# Altium PCB PCB_REV3.PcbDoc (part 1 of 2) (continued)
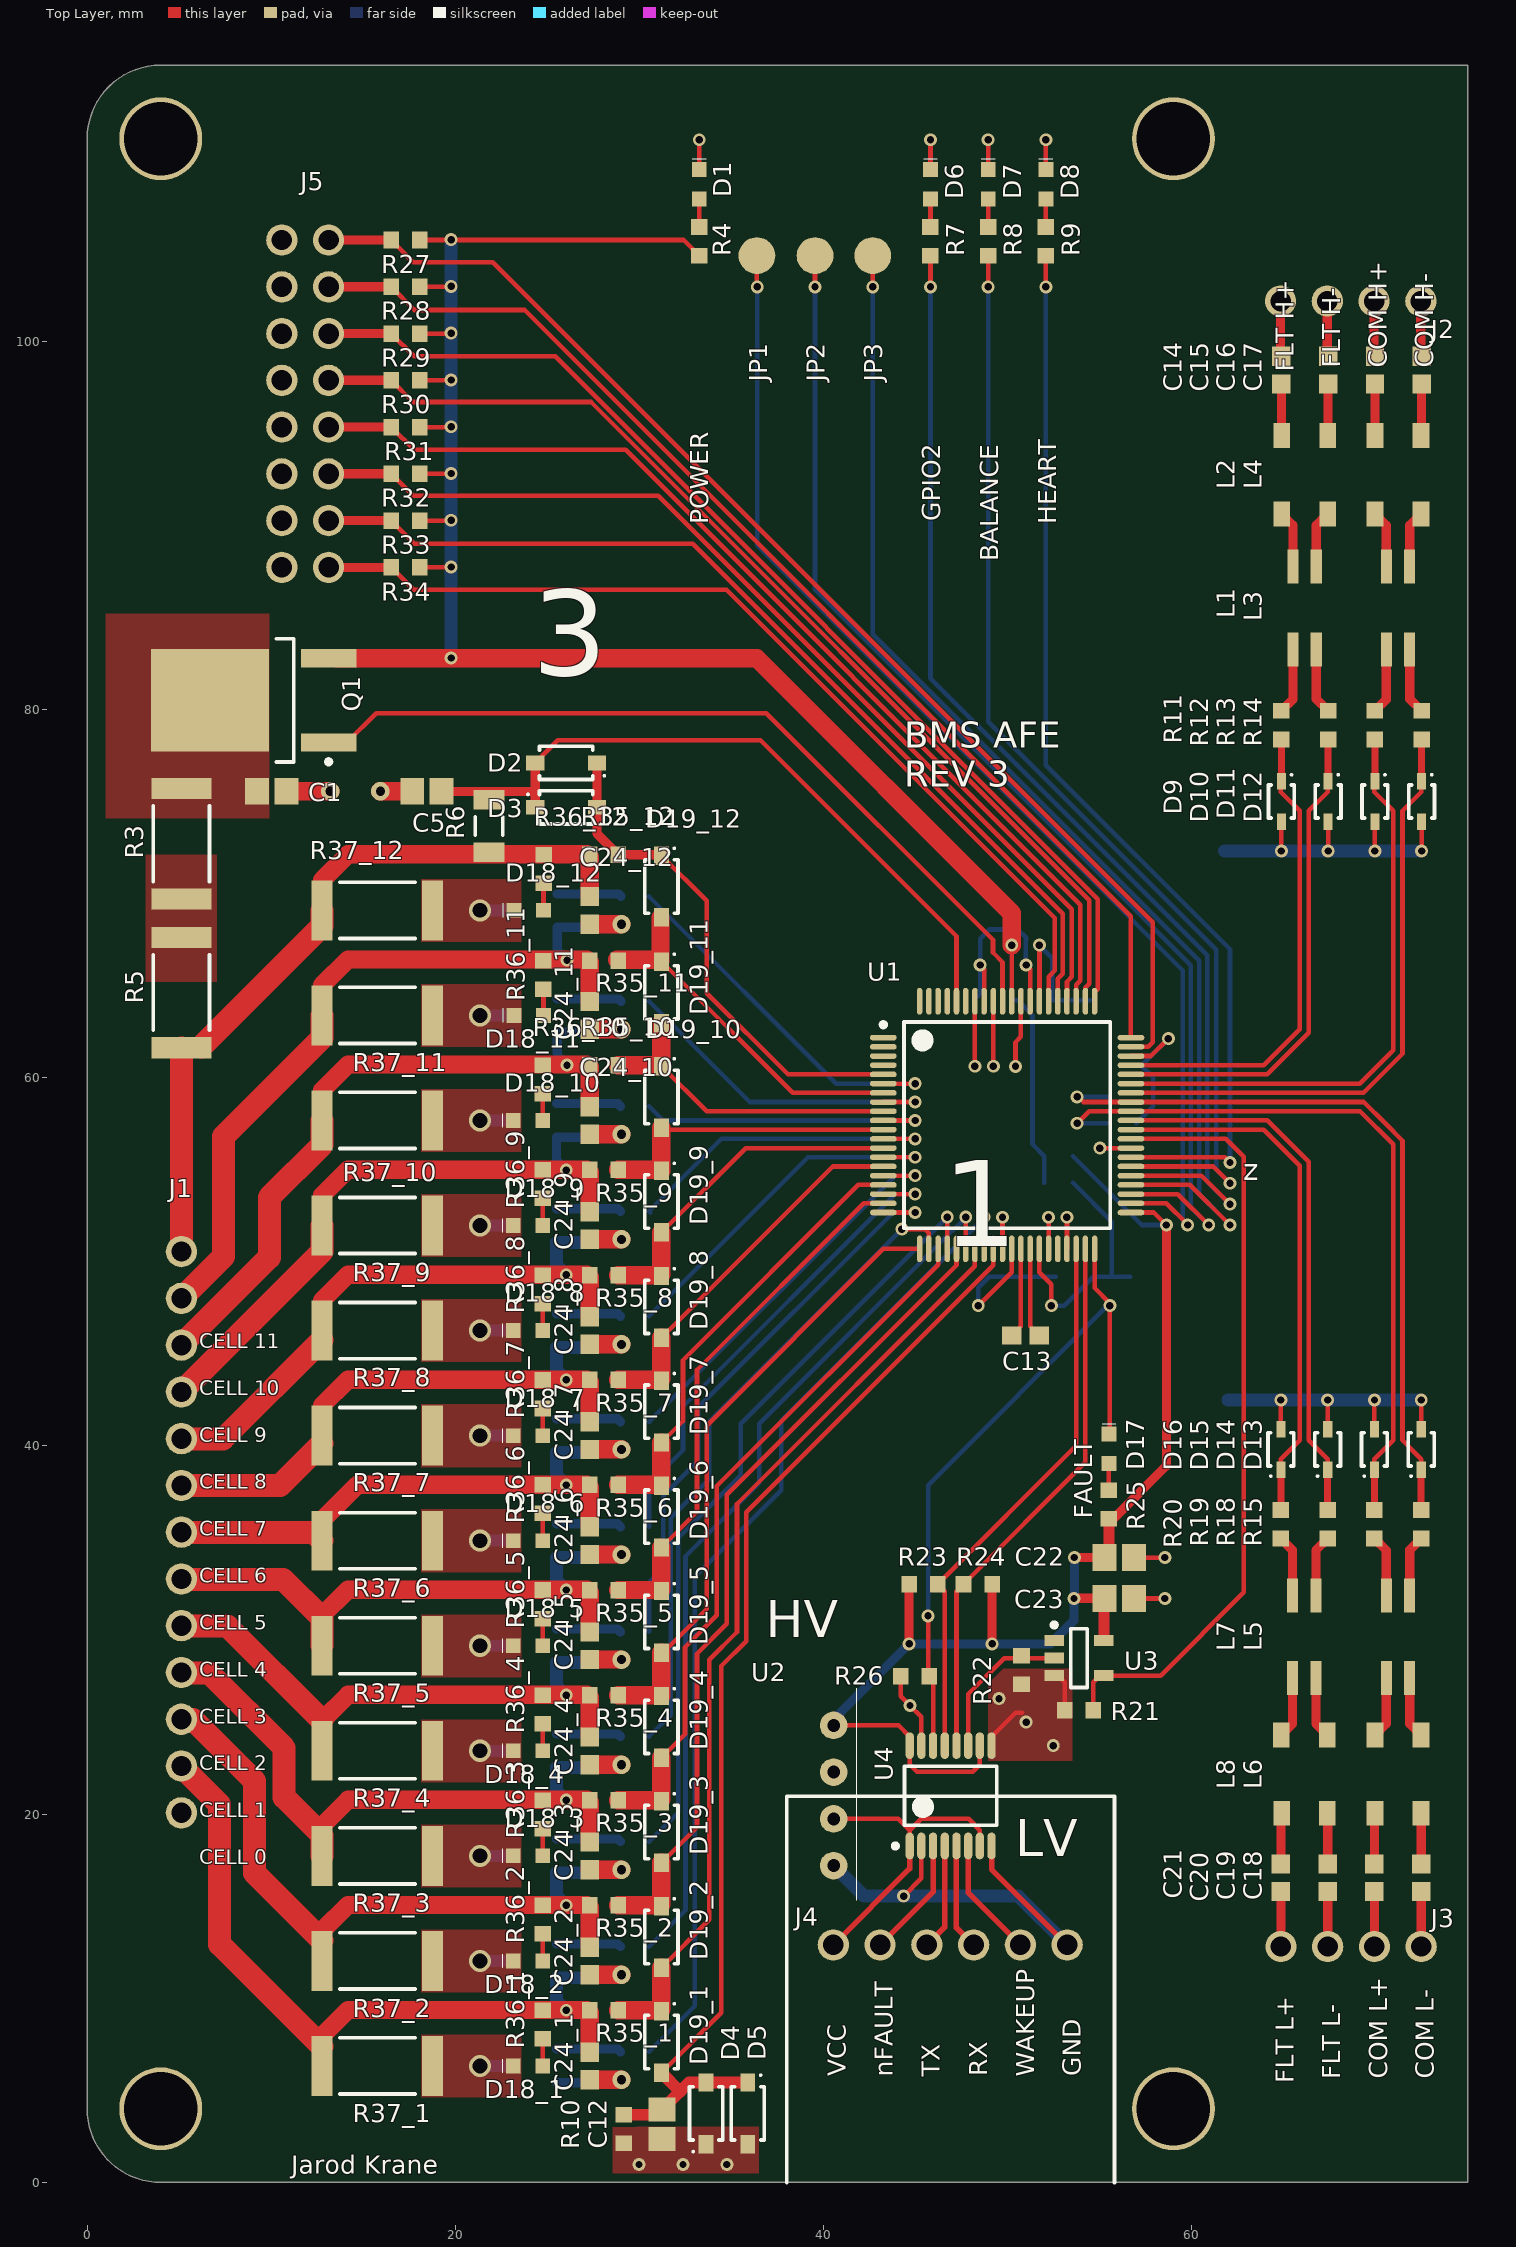
[diagram p0: Top Layer view]
## Part data (continued)
D19_1 D19_2 D19_3 D19_4 D19_5 D19_6 D19_7 D19_8 D19_9 D19_10 D19_11 D19_12: library part Zener-5.1V-0.5W, "DIODE ZENER 5.1V 500MW SOD123", Manufacturer=MCC, Manufacturer Part Number=MMSZ4689-TP, Max Operating Temperature=150°C, Max Power Dissipation=500mW, Max Reverse Leakage Current=10uA, Min Operating Temperature=-55°C, Package Quantity=3000, Supplier Part Number 1=MMSZ4689-TPMSDKR-ND, Test Current=50uA, Tolerance=5%, ComponentLink1Description=http://www.mccsemi.com/up_pdf/MMSZ4678-MMSZ4716(SOD-123)-D.pdf?src-supplier=Digi-Key, ComponentLink1URL=http://www.mccsemi.com/up_pdf/MMSZ4678-MMSZ4716(SOD-123)-D.pdf?src-supplier=Digi-Key, Element Configuration=Single, Lead Free="Lead Free", Mount="Surface Mount", Number of Pins=2, Packaging="Tape and Reel", Power Dissipation=500mW, Pricing 1="1=0.2, 10=0.161, 25=0.1352, 100=0.066, 250=0.06496, 500=0.05506, 1000=0.03825 (USD)", Stock 1=77807, Supplier 1=Digi-Key, Voltage Tolerance=5%, Zener Current=50uA, Zener Voltage=5.1V
J1: library part 13PIN, "CONN HEADER R/A 13POS 2.54MM", Color=Black, Contact Resistance=30mR, Manufacturer=Molex, Manufacturer Part Number=0705530012, Max Operating Temperature=105°C, Min Operating Temperature=-40°C, Package Quantity=1, Connector Type="Male Pin", Contact Material=Bronze, Contact Mating Length=0.24inch, Contact Plating=Gold, Depth=13.59mm, Gender=Male, Housing Color=Black, Housing Material=Polyester, Length=35.57mm, Mount="Through Hole", Number of Positions=13, Number of Rows=1, Orientation="Right Angle", Packaging=Rail/Tube, Pitch=0.1inch, Pricing 1="1=6.09, 10=5.355, 100=4.2597, 1000=3.52944 (USD)", Stock 1=22, Supplier 1=Digi-Key, Supplier Part Number 1=WM4911-ND, Termination=Solder
J2 J3: library part 4PIN, "CONN HEADER R/A 4POS 2.54MM", Color=Black, Contact Resistance=30mR, Current Rating=3A, Flammability Rating="UL94 V-0", Insulation Resistance=1GR, Manufacturer=Molex, Manufacturer Part Number=70553-0003, Max Operating Temperature=105°C, Min Operating Temperature=-40°C, Package Quantity=1680, Voltage Rating=250V, Approvals=UL,CSA, ComponentLink1Description=http://www.molex.com/webdocs/datasheets/pdf/en-us/0705530003_PCB_HEADERS.pdf?src-supplier=Mouser, ComponentLink1URL=http://www.molex.com/webdocs/datasheets/pdf/en-us/0705530003_PCB_HEADERS.pdf?src-supplier=Mouser, ComponentLink2Description=http://www.jameco.com/Jameco/Products/ProdDS/884758.pdf?src-supplier=Jameco, ComponentLink2URL=http://www.jameco.com/Jameco/Products/ProdDS/884758.pdf?src-supplier=Jameco, ComponentLink3Description=http://uk.rs-online.com/webdocs/13c4/0900766b813c4977.pdf?src-supplier=RSComponents, ComponentLink3URL=http://uk.rs-online.com/webdocs/13c4/0900766b813c4977.pdf?src-supplier=RSComponents, Contact Material="Bronze,Copper Alloy", Contact Plating=Gold, ELV=Compliant, Gender=Male, Glow Wire Compliant=Non-compliant, Housing Color=Black, Housing Material=Polycyclohexylenedimethylene, Lead Free="Lead Free", Material=Brass, Mount="Through Hole", Number of Circuits=4, Number of Contacts=4, Number of Positions=4, Number of Rows=1, Orientation="Right Angle", Packaging=Rail/Tube, Pitch=2.54mm, Pricing 1="1=1.05, 10=0.927, 100=0.7995, 500=0.65412, 1000=0.58144, 5000=0.50876, 10000=0.48332 (USD)", REACH SVHC=Unknown, Stock 1=4238, Supplier 1=Digi-Key, Supplier Part Number 1=WM4902-ND, Termination="Through Hole", Voltage Rating (DC)=250V
J4: library part 6PIN, "CONN HEADER R/A 6POS 2.54MM", Color=Black, Contact Resistance=30mR, Current Rating=3A, Flammability Rating="UL94 V-0", Insulation Resistance=1GR, Manufacturer=Molex, Manufacturer Part Number=70553-0040, Max Operating Temperature=105°C, Max Voltage Rating (AC)=250V, Min Operating Temperature=-40°C, Package Quantity=1200, ComponentLink1Description=http://uk.rs-online.com/webdocs/13c4/0900766b813c4993.pdf?src-supplier=RSComponents, ComponentLink1URL=http://uk.rs-online.com/webdocs/13c4/0900766b813c4993.pdf?src-supplier=RSComponents, ComponentLink2Description=http://www.molex.com/webdocs/datasheets/pdf/en-us/0705530040_PCB_HEADERS.pdf?src-supplier=Avnet+Europe, ComponentLink2URL=http://www.molex.com/webdocs/datasheets/pdf/en-us/0705530040_PCB_HEADERS.pdf?src-supplier=Avnet+Europe, ComponentLink3Description=http://www.farnell.com/datasheets/1844551.pdf?src-supplier=Farnell, ComponentLink3URL=http://www.farnell.com/datasheets/1844551.pdf?src-supplier=Farnell, ComponentLink4Description=http://www.mouser.com/ds/2/276/0705530040_PCB_HEADERS-172948.pdf?src-supplier=Mouser, ComponentLink4URL=http://www.mouser.com/ds/2/276/0705530040_PCB_HEADERS-172948.pdf?src-supplier=Mouser, ComponentLink5Description=http://www.farnell.com/cad/655744.pdf?src-supplier=Element14, ComponentLink5URL=http://www.farnell.com/cad/655744.pdf?src-supplier=Element14, ComponentLink6Description=http://www.jameco.com/Jameco/Products/ProdDS/1302975.pdf?src-supplier=Jameco, ComponentLink6URL=http://www.jameco.com/Jameco/Products/ProdDS/1302975.pdf?src-supplier=Jameco, Contact Material="Bronze,Copper Alloy,Brass", Contact Plating=Tin, Depth=13.59mm, ELV=Compliant, Gender=Male, Glow Wire Compliant=Non-compliant, Height=6.99mm, Housing Color=Black, Housing Material=Thermoplastic, Lead Free="Lead Free", Length=17.79mm, Material=Brass, Max Current Rating=3A, Mount="Through Hole", Number of Circuits=6, Number of Contacts=6, Number of Positions=6, Number of Rows=1, Orientation="Right Angle", Packaging=Rail/Tube, Pitch=2.54mm, Pricing 1="1=1.58, 10=1.434, 100=1.2289, 500=1.0241, 1000=0.8778, 5000=0.77832, 10000=0.76076 (USD)", Radiation Hardening=No, REACH SVHC=Unknown, Stock 1=2212, Supplier 1=Digi-Key, Supplier Part Number 1=WM4928-ND, Termination=Solder, Voltage Rating=250V, Voltage Rating (DC)=250V
J5: library part 2X8PIN, "CONN HEADER R/A 16POS 2.54MM", Color=Black, Current Rating=3A, Manufacturer=Molex, Manufacturer Part Number=90130-3116, Max Operating Temperature=125°C, Max Voltage Rating (DC)=350.35kV, Min Operating Temperature=-55°C, Package Quantity=1, Voltage Rating=350V, ComponentLink1Description=https://www.molex.com/pdm_docs/sd/901303116_sd.pdf?src-supplier=Digi-Key, ComponentLink1URL=https://www.molex.com/pdm_docs/sd/901303116_sd.pdf?src-supplier=Digi-Key, ComponentLink2Description=http://uk.rs-online.com/webdocs/13c4/0900766b813c4c91.pdf?src-supplier=RSComponents, ComponentLink2URL=http://uk.rs-online.com/webdocs/13c4/0900766b813c4c91.pdf?src-supplier=RSComponents, ComponentLink3Description=http://www.molex.com/webdocs/datasheets/pdf/en-us/0901303116_PCB_HEADERS.pdf?src-supplier=Avnet+Europe, ComponentLink3URL=http://www.molex.com/webdocs/datasheets/pdf/en-us/0901303116_PCB_HEADERS.pdf?src-supplier=Avnet+Europe, ComponentLink4Description=http://www.mouser.com/ds/2/276/0901303116_PCB_HEADERS-151568.pdf?src-supplier=Mouser, ComponentLink4URL=http://www.mouser.com/ds/2/276/0901303116_PCB_HEADERS-151568.pdf?src-supplier=Mouser, ComponentLink5Description=http://www.molex.com/webdocs/datasheets/pdf/en-us/0901303116_PCB_HEADERS.pdf?src-supplier=Avnet, ComponentLink5URL=http://www.molex.com/webdocs/datasheets/pdf/en-us/0901303116_PCB_HEADERS.pdf?src-supplier=Avnet, ComponentLink6Description=http://www.onlinecomponents.com/productFiles/mf-MOL/88590901303116_pcb_headers.pdf?src-supplier=Onlinecomponents.com, ComponentLink6URL=http://www.onlinecomponents.com/productFiles/mf-MOL/88590901303116_pcb_headers.pdf?src-supplier=Onlinecomponents.com, Connector Type="Male Pin", Contact Material=Brass, Contact Mating Length=0.266inch, Contact Plating=Tin,Lead, Gender=Male, Glow Wire Compliant=Non-compliant, Housing Color=Black, Housing Material=Polyester, Lead Free="Lead Free", Mount="Through Hole", Number of Circuits=16, Number of Contacts=16, Number of Positions=16, Number of Rows=2, Orientation="Right Angle", Packaging=Tray, Pitch=2.54mm, Pricing 1="1=1.82, 10=1.654, 100=1.4181, 500=1.18178, 1000=1.01295, 5000=0.89815, 10000=0.87789 (USD)", Radiation Hardening=No, Row Spacing=0.1inch, Stock 1=1915, Supplier 1=Digi-Key, Supplier Part Number 1=900-0901303116-ND, Termination=Solder, Voltage Rating (AC)=350V, Voltage Rating (DC)=350V
JP1 JP2 JP3: "Single layer pad TP"
L1 L3 L5 L7: library part CMC-470uH, "470µH @ 100kHz 2 Line Common Mode Choke SMD 2.2 kOhms", Case/Package=SMD/SMT, Current=400mA, DC Resistance (DCR)=350mR, Manufacturer="Wurth Electronics", Manufacturer Part Number=744242471, Max Operating Temperature=125°C, Min Operating Temperature=-40°C, Package Quantity=1, Supplier Part Number 1=732-1686-6-ND, Test Frequency=100kHz, Tolerance=50%, Voltage Rating=80V, ComponentLink1Description=https://katalog.we-online.de/pbs/datasheet/744242471.pdf?src-supplier=Digi-Key, ComponentLink1URL=https://katalog.we-online.de/pbs/datasheet/744242471.pdf?src-supplier=Digi-Key, ComponentLink2Description=http://www.farnell.com/datasheets/1735656.pdf?src-supplier=Newark, ComponentLink2URL=http://www.farnell.com/datasheets/1735656.pdf?src-supplier=Newark, ComponentLink3Description=https://www.distrelec.biz/Web/Downloads/_t/ds/744242471_eng_tds.pdf?mime=application%2Fpdf&src-supplier=Distrelec, ComponentLink3URL=https://www.distrelec.biz/Web/Downloads/_t/ds/744242471_eng_tds.pdf?mime=application%2Fpdf&src-supplier=Distrelec, ComponentLink4Description=http://www.mouser.com/ds/2/445/744242471-77692.pdf?src-supplier=Mouser, ComponentLink4URL=http://www.mouser.com/ds/2/445/744242471-77692.pdf?src-supplier=Mouser, ComponentLink5Description=http://www.farnell.com/datasheets/1735656.pdf?src-supplier=Element14, ComponentLink5URL=http://www.farnell.com/datasheets/1735656.pdf?src-supplier=Element14, Current Rating=400mA, Height=0.138inch, Impedance=2.2kR, Inductance=470uH, Length=0.236inch, Max DC Current=400mA, Mount="Surface Mount", Number of Lines=2, Packaging="Tape and Reel", Pricing 1="1=3.37, 10=3.125, 50=2.822, 100=2.722, 250=2.52 (USD)", REACH SVHC="No SVHC", Resistance=350mR, Stock 1=424, Supplier 1=Digi-Key, Termination=SMD/SMT, Weight=0.003351oz, Width=3.3mm
L2 L4 L6 L8: library part CMC-100uH, "100µH @ 100kHz 2 Line Common Mode Choke SMD 5.8 kOhms", Case/Package=SMD/SMT, DC Current=150mA, DC Resistance (DCR)=2R, Manufacturer="TDK EPCOS", Manufacturer Part Number=B82787C0104H002, Max Operating Temperature=150°C, Min Operating Temperature=-40°C, Self Resonant Frequency=10MHz, Supplier Part Number 1=495-4598-6-ND, Test Frequency=100kHz, Tolerance=50%, ComponentLink1Description=http://components.arrow.com/part/dataview/0323_04183589?src-supplier=Arrow+Europe, ComponentLink1URL=http://components.arrow.com/part/dataview/0323_04183589?src-supplier=Arrow+Europe, ComponentLink2Description=https://en.tdk.eu/inf/30/ds/act45b.pdf?src-supplier=Digi-Key, ComponentLink2URL=https://en.tdk.eu/inf/30/ds/act45b.pdf?src-supplier=Digi-Key, Core Material=Ferrite, Depth=3.4mm, Height=2.8mm, Inductance=100uH, Lead Free="Lead Free", Length=4.7mm, Max DC Current=150mA, Packaging="Tape and Reel", Pricing 1="1=1.62, 10=1.504, 100=1.0878, 500=0.83318, 1000=0.74061 (USD)", Stock 1=6844, Supplier 1=Digi-Key
Q1: library part NPN-150V-1A, "TRANS NPN 150V 1A TO252", Case/Package=TO-252, Collector Base Voltage (VCBO)=150V, Continuous Collector Current=1A, Emitter Base Voltage (VEBO)=7V, Manufacturer=Diodes, Manufacturer Part Number=ZXTN4004KTC, Max Operating Temperature=150°C, Max Power Dissipation=3.8W, Min Operating Temperature=-55°C, Package Quantity=2500, Supplier Part Number 1=ZXTN4004KTCDIDKR-ND, Collector Emitter Breakdown Voltage=150V, Collector Emitter Voltage (VCEO)=150V, ComponentLink1Description=http://www.mouser.com/ds/2/115/ZXTN4004K-219140.pdf?src-supplier=Mouser, ComponentLink1URL=http://www.mouser.com/ds/2/115/ZXTN4004K-219140.pdf?src-supplier=Mouser, ComponentLink2Description=http://www.diodes.com/datasheets/ZXTN4004K.pdf?src-supplier=Avnet, ComponentLink2URL=http://www.diodes.com/datasheets/ZXTN4004K.pdf?src-supplier=Avnet, ComponentLink3Description=http://www.diodes.com/datasheets/ZXTN4004K.pdf?src-supplier=Avnet+Europe, ComponentLink3URL=http://www.diodes.com/datasheets/ZXTN4004K.pdf?src-supplier=Avnet+Europe, ComponentLink4Description=https://www.diodes.com/assets/Datasheets/ZXTN4004K.pdf?src-supplier=Digi-Key, ComponentLink4URL=https://www.diodes.com/assets/Datasheets/ZXTN4004K.pdf?src-supplier=Digi-Key, Element Configuration=Single, Height=6.2mm, hFE Min=100, Lead Free="Lead Free", Length=6.7mm, Max Breakdown Voltage=150V, Max Collector Current=1A, Mount="Surface Mount", Number of Elements=1, Number of Pins=3, Packaging="Tape and Reel", Polarity=NPN, Power Dissipation=3.8W, Pricing 1="1=0.44, 10=0.374, 25=0.3492, 100=0.2595, 250=0.24648, 500=0.20258, 1000=0.16465 (USD)", Radiation Hardening=No, REACH SVHC="No SVHC", Stock 1=16465, Supplier 1=Digi-Key, Weight=0.063493oz, Width=2.39mm
Q2_1 Q2_2 Q2_3 Q2_4 Q2_5 Q2_6 Q2_7 Q2_8 Q2_9 Q2_10 Q2_11 Q2_12: library part N-FET-60V-1.6A, "MOSFET N-CH 60V 1.6A SOT23", Case/Package=TO-236-3, Continuous Drain Current (ID)=1.6A, Drain to Source Voltage (Vdss)=60V, Input Capacitance=315pF, Manufacturer=Diodes, Manufacturer Part Number=DMN6140L-13, Max Operating Temperature=150°C, Max Power Dissipation=700mW, Min Operating Temperature=-55°C, Package Quantity=10000, Supplier Part Number 1=DMN6140L-13DIDKR-ND, ComponentLink1Description=https://www.diodes.com/assets/Datasheets/DMN6140L.pdf?src-supplier=Digi-Key, ComponentLink1URL=https://www.diodes.com/assets/Datasheets/DMN6140L.pdf?src-supplier=Digi-Key, Mount="Surface Mount", Packaging="Cut Tape", Pricing 1="1=0.34, 10=0.256, 25=0.224, 100=0.1217, 250=0.12104, 500=0.09926, 1000=0.07365, 2500=0.06468, 5000=0.05924 (USD)", Rds On Max=140mR, Stock 1=274948, Supplier 1=Digi-Key
R1 R2: library part 0603-1R, "RES SMD 1 OHM 1% 1/10W 0603", Case/Package=0603, Case Code (Metric)=1608, Manufacturer=Yageo, Manufacturer Part Number=RC0603FR-071RL, Max Operating Temperature=155°C, Max Power Dissipation=100mW, Min Operating Temperature=-55°C, Package Quantity=1, Supplier Part Number 1=311-1.00HRDKR-ND, Temperature Coefficient=200ppm/°C, Tolerance=1%, Voltage Rating=50V, Case Code (Imperial)=0603, ComponentLink1Description=http://www.yageo.com/documents/recent/PYu-RC_Group_51_RoHS_L_10.pdf?src-supplier=Digi-Key, ComponentLink1URL=http://www.yageo.com/documents/recent/PYu-RC_Group_51_RoHS_L_10.pdf?src-supplier=Digi-Key, ComponentLink2Description=http://www.farnell.com/datasheets/2167052.pdf?src-supplier=Element14, ComponentLink2URL=http://www.farnell.com/datasheets/2167052.pdf?src-supplier=Element14, ComponentLink3Description=http://www.farnell.com/datasheets/1868787.pdf?src-supplier=Element14, ComponentLink3URL=http://www.farnell.com/datasheets/1868787.pdf?src-supplier=Element14, Composition="Thick Film", Depth=0.8mm, Features="Moisture Resistant", Height=0.022inch, Lead Free="Lead Free", Length=0.063inch, Number of Pins=2, Number of Terminations=2, Packaging="Tape and Reel", Power Rating=100mW, Pricing 1="1=0.1, 10=0.046, 100=0.0187, 1000=0.0084, 2500=0.00729 (USD)", REACH SVHC=Unknown, Resistance=1R, Stock 1=9330143, Supplier 1=Digi-Key, Termination=SMD/SMT, Voltage Rating (DC)=50V, Width=0.031inch
R3 R5: library part 2512-200R, "RES SMD 200 OHM 1% 1W 2512", Case/Package=2512, Case Code (Metric)=6432, Manufacturer=Vishay, Manufacturer Part Number=CRCW2512200RFKEG, Max Operating Temperature=155°C, Max Power Dissipation=1W, Min Operating Temperature=-55°C, Package Quantity=10, Supplier Part Number 1=541-200AFDKR-ND, Temperature Coefficient=100ppm/°C, Tolerance=1%, Voltage Rating=500V, Case Code (Imperial)=2512, ComponentLink1Description=https://www.alliedelec.com/m/d/0c934d6939ccefa68dbe0b96d821c8cf.pdf?src-supplier=Allied+Electronics, ComponentLink1URL=https://www.alliedelec.com/m/d/0c934d6939ccefa68dbe0b96d821c8cf.pdf?src-supplier=Allied+Electronics, ComponentLink2Description=http://www.vishay.com/docs/20035/dcrcwe3.pdf?src-supplier=Digi-Key, ComponentLink2URL=http://www.vishay.com/docs/20035/dcrcwe3.pdf?src-supplier=Digi-Key, ComponentLink3Description=http://www.vishay.com/docs/20035/dcrcwe3.pdf?src-supplier=Avnet, ComponentLink3URL=http://www.vishay.com/docs/20035/dcrcwe3.pdf?src-supplier=Avnet, ComponentLink4Description=http://www.vishay.com/docs/20035/dcrcwe3.pdf?src-supplier=Future+Electronics, ComponentLink4URL=http://www.vishay.com/docs/20035/dcrcwe3.pdf?src-supplier=Future+Electronics, Composition="Thick Film", Contact Plating=Tin, Depth=3.15mm, Features="Automotive AEC-Q200", Height=0.028inch, Lead Free="Lead Free", Length=6.3mm, Military Standard=Not, Number of Pins=2, Number of Terminations=2, Packaging="Tape and Reel", Power Rating=1W, Pricing 1="1=0.38, 10=0.318, 100=0.1242, 1000=0.05198 (USD)", Radiation Hardening=No, REACH SVHC=Unknown, Resistance=200R, Stock 1=27582, Supplier 1=Digi-Key, Termination=SMD/SMT, Voltage Rating (DC)=500V, Weight=0.001429oz, Width=3.15mm
R4 R10 R25 R35_1 R35_2 R35_3 R35_4 R35_5 R35_6 R35_7 R35_8 R35_9 R35_10 R35_11 R35_12 R36_1 R36_2 R36_3 R36_4 R36_5 R36_6 R36_7 R36_8 R36_9 R36_10 R36_11 R36_12: library part 0603-1KR, "RES SMD 1K OHM 1% 1/10W 0603", Case/Package=0603, Case Code (Metric)=1608, Manufacturer="Vishay Dale", Manufacturer Part Number=CRCW06031K00FKEA, Max Operating Temperature=155°C, Max Power Dissipation=100mW, Min Operating Temperature=-55°C, Package Quantity=10, Resistance=1kR, Supplier Part Number 1=541-1.00KHCT-ND, Temperature Coefficient=100ppm/°C, Tolerance=1%, Voltage Rating=75V, Case Code (Imperial)=0603, ComponentLink1Description=http://www.vishay.com/docs/20035/dcrcwe3.pdf?src-supplier=Digi-Key, ComponentLink1URL=http://www.vishay.com/docs/20035/dcrcwe3.pdf?src-supplier=Digi-Key, ComponentLink2Description=http://uk.rs-online.com/webdocs/0d98/0900766b80d98afc.pdf?src-supplier=RSComponents, ComponentLink2URL=http://uk.rs-online.com/webdocs/0d98/0900766b80d98afc.pdf?src-supplier=RSComponents, ComponentLink3Description=http://www.vishay.com/docs/20035/dcrcwe3.pdf?src-supplier=Avnet, ComponentLink3URL=http://www.vishay.com/docs/20035/dcrcwe3.pdf?src-supplier=Avnet, ComponentLink4Description=http://www.vishay.com/docs/20035/dcrcwe3.pdf?src-supplier=Avnet+Asia, ComponentLink4URL=http://www.vishay.com/docs/20035/dcrcwe3.pdf?src-supplier=Avnet+Asia, ComponentLink5Description=http://www.farnell.com/datasheets/2310790.pdf?src-supplier=Element14, ComponentLink5URL=http://www.farnell.com/datasheets/2310790.pdf?src-supplier=Element14, ComponentLink6Description=https://www.distrelec.biz/Web/Downloads/a_/en/flD-CRCW-e3_data_en.pdf?mime=application%2Fpdf&src-supplier=Distrelec, ComponentLink6URL=https://www.distrelec.biz/Web/Downloads/a_/en/flD-CRCW-e3_data_en.pdf?mime=application%2Fpdf&src-supplier=Distrelec, ComponentLink7Description=http://www.vishay.com/docs/20035/dcrcwe3.pdf?src-supplier=Future+Electronics, ComponentLink7URL=http://www.vishay.com/docs/20035/dcrcwe3.pdf?src-supplier=Future+Electronics, ComponentLink8Description=http://www.vishay.com/docs/20035/dcrcwe3.pdf?src-supplier=Avnet+Europe, ComponentLink8URL=http://www.vishay.com/docs/20035/dcrcwe3.pdf?src-supplier=Avnet+Europe, Composition="Thick Film", Contact Plating=Tin, Depth=0.85mm, Features="Automotive AEC-Q200", Height=0.45mm, Lead Free="Lead Free", Length=1.55mm, Military Standard=Not, Mount="Surface Mount", Number of Pins=2, Number of Terminations=2, Packaging="Tape and Reel", Power Rating=100mW, Pricing 1="1=0.1, 10=0.034, 100=0.0139, 1000=0.00623, 2500=0.0054 (USD)", Radiation Hardening=No, REACH SVHC=Unknown, Stock 1=671453, Supplier 1=Digi-Key, Termination=SMD/SMT, Voltage Rating (DC)=75V, Weight=7.1E-05oz, Width=0.033inch
R6: library part 1206-100R, "RES SMD 100 OHM 1% 1/4W 1206", Case/Package=1206, Case Code (Metric)=3216, Manufacturer=Yageo, Manufacturer Part Number=RC1206FR-07100RL, Max Operating Temperature=155°C, Min Operating Temperature=-55°C, Package Quantity=5000, Power Rating=250mW, Supplier Part Number 1=311-100FRDKR-ND, Temperature Coefficient=100ppm/°C, Tolerance=1%, Voltage Rating=200V, Case Code (Imperial)=1206, ComponentLink1Description=http://www.farnell.com/datasheets/2167052.pdf?src-supplier=Element14, ComponentLink1URL=http://www.farnell.com/datasheets/2167052.pdf?src-supplier=Element14, ComponentLink2Description=http://documents.rs-components.com/techlib://itc_doclist_GB.htm?stockno=6182271&src-supplier=RSComponents, ComponentLink2URL=http://documents.rs-components.com/techlib://itc_doclist_GB.htm?stockno=6182271&src-supplier=RSComponents, Composition="Thick Film", Depth=1.6mm, Height=0.55mm, Lead Free="Lead Free", Length=3.1mm, Packaging="Tape and Reel", Pricing 1="1=0.1, 10=0.071, 100=0.0291, 1000=0.01306, 2500=0.01134 (USD)", REACH SVHC=Unknown, Resistance=100R, Stock 1=4010302, Supplier 1=Digi-Key, Termination=SMD/SMT, Width=1.6mm
R7 R8 R9: library part 0603-665R, "RES SMD 665 OHM 1% 1/10W 0603", Case/Package=0603, Case Code (Metric)=1608, Manufacturer=Yageo, Manufacturer Part Number=RC0603FR-07665RL, Max Operating Temperature=155°C, Max Power Dissipation=100mW, Min Operating Temperature=-55°C, Package Quantity=1, Supplier Part Number 1=311-665HRDKR-ND, Temperature Coefficient=100ppm/°C, Tolerance=1%, Voltage Rating=75V, Voltage Rating (DC)=50V, Case Code (Imperial)=0603, ComponentLink1Description=http://www.yageo.com/documents/recent/PYu-RC_Group_51_RoHS_L_9.pdf?src-supplier=Digi-Key, ComponentLink1URL=http://www.yageo.com/documents/recent/PYu-RC_Group_51_RoHS_L_9.pdf?src-supplier=Digi-Key, ComponentLink2Description=http://www.yageo.com/documents/recent/PYu-RC0603_51_RoHS_L_4.pdf?src-supplier=Avnet, ComponentLink2URL=http://www.yageo.com/documents/recent/PYu-RC0603_51_RoHS_L_4.pdf?src-supplier=Avnet, ComponentLink3Description=http://www.yageo.com/documents/recent/PYu-RC_Group_51_RoHS_L_10.pdf?src-supplier=Digi-Key, ComponentLink3URL=http://www.yageo.com/documents/recent/PYu-RC_Group_51_RoHS_L_10.pdf?src-supplier=Digi-Key, ComponentLink4Description=http://www.yageo.com/documents/recent/PYu-RC0603_51_RoHS_L_4.pdf?src-supplier=Avnet+Europe, ComponentLink4URL=http://www.yageo.com/documents/recent/PYu-RC0603_51_RoHS_L_4.pdf?src-supplier=Avnet+Europe, Composition="Thick Film", Contact Plating=Tin,Matte, Depth=0.8mm, Features="Moisture Resistant", Height=0.022inch, Lead Free="Lead Free", Length=1.6mm, Military Standard=Not, Number of Terminations=2, Packaging="Tape and Reel", Power Rating=100mW, Pricing 1="1=0.1, 10=0.023, 100=0.0094, 1000=0.00421, 2500=0.00366 (USD)", Resistance=665R, Stock 1=143871, Supplier 1=Digi-Key, Termination=SMD/SMT, Weight=7.1E-05oz, Width=0.8mm
R11 R12 R13 R14 R15 R18 R19 R20: library part 0603-10R, "RES SMD 10 OHM 1% 1/10W 0603", Case/Package=0603, Case Code (Metric)=1608, Manufacturer=Yageo, Manufacturer Part Number=RC0603FR-0710RL, Max Operating Temperature=155°C, Min Operating Temperature=-55°C, Power Rating=100mW, Supplier Part Number 1=311-10.0HRDKR-ND, Temperature Coefficient=200ppm/°C, Tolerance=1%, Voltage Rating=50V, Case Code (Imperial)=0603, ComponentLink1Description=http://www.farnell.com/datasheets/1868787.pdf?src-supplier=Element14, ComponentLink1URL=http://www.farnell.com/datasheets/1868787.pdf?src-supplier=Element14, ComponentLink2Description=http://www.yageo.com/documents/recent/PYu-RC0603_51_RoHS_L_4.pdf?src-supplier=Avnet, ComponentLink2URL=http://www.yageo.com/documents/recent/PYu-RC0603_51_RoHS_L_4.pdf?src-supplier=Avnet, ComponentLink3Description=http://documents.rs-components.com/techlib://itc_doclist_GB.htm?stockno=5048984&src-supplier=RSComponents, ComponentLink3URL=http://documents.rs-components.com/techlib://itc_doclist_GB.htm?stockno=5048984&src-supplier=RSComponents, ComponentLink4Description=http://www.yageo.com/documents/recent/PYu-RC0603_51_RoHS_L_4.pdf?src-supplier=Avnet+Europe, ComponentLink4URL=http://www.yageo.com/documents/recent/PYu-RC0603_51_RoHS_L_4.pdf?src-supplier=Avnet+Europe, Composition="Thick Film", Contact Plating=Tin,Matte, Depth=0.8mm, Height=0.45mm, Lead Free="Lead Free", Length=1.6mm, Military Standard=Not, Number of Pins=2, Packaging="Tape and Reel", Pricing 1="1=0.1, 10=0.046, 100=0.0187, 1000=0.0084, 2500=0.00729 (USD)", Radiation Hardening=No, REACH SVHC="No SVHC", Resistance=10R, Stock 1=11151092, Supplier 1=Digi-Key, Termination=SMD/SMT, Voltage Rating (DC)=50V, Width=0.8mm
R16 R17 R21 R23 R24 R39_1 R39_2 R39_3 R39_4 R39_5 R39_6 R39_7 R39_8 R39_9 R39_10 R39_11 R39_12: library part 0603-100KR, "RES 100K OHM 1% 1/10W 0603", Case/Package=0603, Case Code (Metric)=1608, Manufacturer="Stackpole Electronics", Manufacturer Part Number=RMCF0603FT100K, Max Operating Temperature=155°C, Max Power Dissipation=100mW, Min Operating Temperature=-55°C, Resistance=100kR, Supplier Part Number 1=RMCF0603FT100KDKR-ND, Temperature Coefficient=100ppm/°C, Tolerance=1%, Working Voltage=75V, Case Code (Imperial)=0603, ComponentLink1Description=https://www.verical.com/server-webapp/html/getDatasheet?partID=362597&src-supplier=Verical, ComponentLink1URL=https://www.verical.com/server-webapp/html/getDatasheet?partID=362597&src-supplier=Verical, Composition="Thick Film", Contact Plating=Tin,Matte, Depth=0.8mm, Features="Automotive AEC-Q200", Height=0.022inch, Lead Free="Lead Free", Length=1.55mm, Military Standard=Not, Mount="Surface Mount", Number of Terminations=2, Packaging="Tape and Reel", Power Rating=100mW, Pricing 1="1=0.1, 10=0.016, 100=0.0065, 1000=0.00292, 2500=0.00253 (USD)", Radiation Hardening=No, Stock 1=1428218, Supplier 1=Digi-Key, Width=0.031inch
R22: library part 0603-0R, "RES SMD 0 OHM JUMPER 1/10W 0603", Case/Package=0603, Case Code (Metric)=1608, Manufacturer=Yageo, Manufacturer Part Number=RC0603JR-070RL, Max Operating Temperature=155°C, Min Operating Temperature=-55°C, Package Quantity=5000, Power Rating=100mW, Resistance=0mR, Supplier Part Number 1=311-0.0GRCT-ND, Temperature Coefficient=200ppm/°C, Tolerance=1%, Voltage Rating=50V, Case Code (Imperial)=0603, ComponentLink1Description=http://www.farnell.com/datasheets/2167052.pdf?src-supplier=Element14, ComponentLink1URL=http://www.farnell.com/datasheets/2167052.pdf?src-supplier=Element14, ComponentLink2Description=https://www.verical.com/server-webapp/html/getDatasheet?partID=329462&src-supplier=Verical, ComponentLink2URL=https://www.verical.com/server-webapp/html/getDatasheet?partID=329462&src-supplier=Verical, ComponentLink3Description=http://www.yageo.com/documents/recent/PYu-RC_Group_51_RoHS_L_9.pdf?src-supplier=Mouser, ComponentLink3URL=http://www.yageo.com/documents/recent/PYu-RC_Group_51_RoHS_L_9.pdf?src-supplier=Mouser, ComponentLink4Description=http://www.farnell.com/datasheets/443971.pdf?src-supplier=Element14, ComponentLink4URL=http://www.farnell.com/datasheets/443971.pdf?src-supplier=Element14, ComponentLink5Description=http://documents.rs-components.com/techlib://itc_doclist_GB.htm?stockno=6515918&src-supplier=RSComponents, ComponentLink5URL=http://documents.rs-components.com/techlib://itc_doclist_GB.htm?stockno=6515918&src-supplier=RSComponents, Composition="Thick Film", Contact Plating=Tin,Matte, Depth=0.8mm, Height=0.45mm, Lead Free="Lead Free", Length=1.6mm, Military Standard=Not, Number of Pins=2, Packaging="Tape and Reel", Pricing 1="1=0.1, 10=0.019, 25=0.0136, 50=0.0104, 100=0.0077, 250=0.00588, 500=0.00472, 1000=0.00347 (USD)", Radiation Hardening=No, REACH SVHC="No SVHC", Stock 1=25658294, Supplier 1=Digi-Key, Termination=SMD/SMT, Voltage Rating (DC)=50V, Width=0.8mm
R26: library part 0603-50KR, "RES SMD 49.9K OHM 1% 1/10W 0603", Case/Package=0603, Case Code (Metric)=1608, Manufacturer=Yageo, Manufacturer Part Number=RC0603FR-0749K9L, Max Operating Temperature=155°C, Max Power Dissipation=100mW, Min Operating Temperature=-55°C, Package Quantity=1, Resistance=49.9kR, Supplier Part Number 1=311-49.9KHRDKR-ND, Temperature Coefficient=100ppm/°C, Tolerance=1%, Voltage Rating=50V, Case Code (Imperial)=0603, ComponentLink1Description=https://www.verical.com/server-webapp/html/getDatasheet?partID=323805&src-supplier=Verical, ComponentLink1URL=https://www.verical.com/server-webapp/html/getDatasheet?partID=323805&src-supplier=Verical, ComponentLink2Description=http://www.yageo.com/documents/recent/PYu-RC_Group_51_RoHS_L_10.pdf?src-supplier=Digi-Key, ComponentLink2URL=http://www.yageo.com/documents/recent/PYu-RC_Group_51_RoHS_L_10.pdf?src-supplier=Digi-Key, ComponentLink3Description=http://www.yageo.com/documents/recent/PYu-RC_Group_51_RoHS_L_9.pdf?src-supplier=Digi-Key, ComponentLink3URL=http://www.yageo.com/documents/recent/PYu-RC_Group_51_RoHS_L_9.pdf?src-supplier=Digi-Key, Composition="Thick Film", Depth=0.8mm, Features="Moisture Resistant", Height=0.022inch, Lead Free="Lead Free", Length=0.063inch, Military Standard=Not, Mount="Surface Mount", Number of Terminations=2, Packaging="Tape and Reel", Power Rating=100mW, Pricing 1="1=0.1, 10=0.023, 100=0.0094, 1000=0.00421, 2500=0.00366 (USD)", Stock 1=1201103, Supplier 1=Digi-Key, Termination=SMD/SMT, Voltage Rating (DC)=50V, Width=0.031inch
R27 R28 R29 R30 R31 R32 R33 R34: library part 0603-10KR, "RES SMD 10K OHM 5% 1/10W 0603", Case/Package=0603, Case Code (Metric)=1608, Manufacturer=Yageo, Manufacturer Part Number=RC0603JR-0710KL, Max Operating Temperature=155°C, Max Power Dissipation=100mW, Min Operating Temperature=-55°C, Resistance=10kR, Supplier Part Number 1=311-10KGRDKR-ND, Temperature Coefficient=100ppm/°C, Tolerance=5%, Voltage Rating=50V, Case Code (Imperial)=0603, ComponentLink1Description=http://www.yageo.com/documents/recent/PYu-RC_Group_51_RoHS_L_10.pdf?src-supplier=Digi-Key, ComponentLink1URL=http://www.yageo.com/documents/recent/PYu-RC_Group_51_RoHS_L_10.pdf?src-supplier=Digi-Key, Composition="Thick Film", Contact Plating=Tin,Matte, Depth=0.8mm, Features="Moisture Resistant", Height - Seated (Max)=0.022inch, Lead Free="Lead Free", Length=0.063inch, Military Standard=Not, Number of Pins=2, Number of Terminations=2, Packaging="Tape and Reel", Power Rating=100mW, Pricing 1="1=0.1, 10=0.019, 100=0.0077, 1000=0.00347, 2500=0.00301 (USD)", Radiation Hardening=No, REACH SVHC=Unknown, Stock 1=3006558, Supplier 1=Digi-Key, Termination=SMD/SMT, Voltage Rating (DC)=50V, Width=0.031inch
R37_1 R37_2 R37_3 R37_4 R37_5 R37_6 R37_7 R37_8 R37_9 R37_10 R37_11 R37_12: library part 2512-75R, "RES 75 OHM 1% 1W 2512", Case/Package=2512, Manufacturer="Stackpole Electronics", Manufacturer Part Number=RMCF2512FT75R0, Max Operating Temperature=155°C, Max Power Dissipation=1W, Min Operating Temperature=-55°C, Package Quantity=4000, Supplier Part Number 1=RMCF2512FT75R0DKR-ND, Temperature Coefficient=100ppm/°C, Tolerance=1%, ComponentLink1Description=https://www.seielect.com/catalog/sei-rmcf_rmcp.pdf?src-supplier=Digi-Key, ComponentLink1URL=https://www.seielect.com/catalog/sei-rmcf_rmcp.pdf?src-supplier=Digi-Key, ComponentLink2Description=https://www.seielect.com/catalog/SEI-RMCF_RMCP.pdf?src-supplier=Avnet, ComponentLink2URL=https://www.seielect.com/catalog/SEI-RMCF_RMCP.pdf?src-supplier=Avnet, Composition="Thick Film", Contact Plating=Tin,Matte, Features="Automotive AEC-Q200", Height=0.028inch, Length=0.248inch, Mount="Surface Mount", Number of Terminations=2, Packaging="Tape and Reel", Power Rating=1W, Pricing 1="1=0.36, 10=0.303, 100=0.1183, 1000=0.0495 (USD)", Radiation Hardening=No, Resistance=75R, Stock 1=20865, Supplier 1=Digi-Key, Width=0.126inch
R38_1 R38_2 R38_3 R38_4 R38_5 R38_6 R38_7 R38_8 R38_9 R38_10 R38_11 R38_12: library part 0603-2KR, "RES SMD 2K OHM 1% 1/4W 0603", Case/Package=0603, Case Code (Metric)=1608, Manufacturer="Vishay Dale", Manufacturer Part Number=CRCW06032K00FKEAHP, Max Operating Temperature=155°C, Max Power Dissipation=250mW, Min Operating Temperature=-55°C, Package Quantity=10, Resistance=2kR, Supplier Part Number 1=541-2.00KSDKR-ND, Temperature Coefficient=100ppm/°C, Tolerance=1%, Voltage Rating=75V, Case Code (Imperial)=0603, ComponentLink1Description=http://www.vishay.com/docs/20043/crcwhpe3.pdf?src-supplier=Digi-Key, ComponentLink1URL=http://www.vishay.com/docs/20043/crcwhpe3.pdf?src-supplier=Digi-Key, Composition="Thick Film", Contact Plating=Tin, Depth=0.85mm, Features="Automotive AEC-Q200", Height=0.45mm, Lead Free="Lead Free", Length=1.6mm, Military Standard=Not, Mount="Surface Mount", Number of Terminations=2, Packaging="Tape and Reel", Power Rating=250mW, Pricing 1="1=0.17, 10=0.142, 100=0.0553, 1000=0.02317, 2500=0.02124 (USD)", Radiation Hardening=No, Stock 1=23723, Supplier 1=Digi-Key, Termination=Solder, Weight=7.1E-05oz, Width=0.033inch
U1: "IC BATT MONITOR/PROTECT 80TQFP", Case/Package=TQFP, Manufacturer="Texas Instruments", Max Operating Temperature=105°C, Min Operating Temperature=-40°C, Supplier Part Number 1=296-48288-6-ND, ComponentLink1Description=http://www.ti.com/lit/pdf/sluub67?src-supplier=Digi-Key, ComponentLink1URL=http://www.ti.com/lit/pdf/sluub67?src-supplier=Digi-Key, ComponentLink2Description=http://www.ti.com/lit/gpn/bq76pl455a-q1?src-supplier=Mouser, ComponentLink2URL=http://www.ti.com/lit/gpn/bq76pl455a-q1?src-supplier=Mouser, ComponentLink3Description=http://www.ti.com/general/docs/lit/getliterature.tsp?genericPartNumber=BQ76PL455A-Q1&&fileType=pdf&src-supplier=Avnet, ComponentLink3URL=http://www.ti.com/general/docs/lit/getliterature.tsp?genericPartNumber=BQ76PL455A-Q1&&fileType=pdf&src-supplier=Avnet, ComponentLink4Description=http://www.ti.com/general/docs/suppproductinfo.tsp?distId=10&amp;gotoUrl=http%3A%2F%2Fwww.ti.com%2Flit%2Fgpn%2Fbq76pl455a-q1&src-supplier=Digi-Key, ComponentLink4URL=http://www.ti.com/general/docs/suppproductinfo.tsp?distId=10&amp;gotoUrl=http%3A%2F%2Fwww.ti.com%2Flit%2Fgpn%2Fbq76pl455a-q1&src-supplier=Digi-Key, Contact Plating=Gold, Lead Free="Lead Free", Manufacturer Part Number=BQ76PL455ATPFCTQ1, Mount="Surface Mount", Pricing 1="1=20.82, 10=19.132, 25=18.3392, 100=15.3652 (USD)", Stock 1=226, Supplier 1=Digi-Key
U2: library part DCDC5V-5V, "DC DC CONVERTER 5V 1W", Case/Package=SIP, Current - Output 1=200mA, Isolation Voltage=1kV, Manufacturer=Recom, Manufacturer Part Number=ROE-0505S, Max Input Voltage=5.5V, Max Operating Temperature=85°C, Max Output Power=1W, Max Output Voltage=5V, Min Input Voltage=4.5V, Min Operating Temperature=-40°C, Package Quantity=42, ComponentLink1Description=http://www.farnell.com/datasheets/2787770.pdf?src-supplier=Element14, ComponentLink1URL=http://www.farnell.com/datasheets/2787770.pdf?src-supplier=Element14, ComponentLink2Description=http://www.mouser.com/ds/2/468/ROE-766139.pdf?src-supplier=Mouser, ComponentLink2URL=http://www.mouser.com/ds/2/468/ROE-766139.pdf?src-supplier=Mouser, ComponentLink3Description=https://www.recom-power.com/pdf/Econoline/ROE.pdf?src-supplier=Digi-Key, ComponentLink3URL=https://www.recom-power.com/pdf/Econoline/ROE.pdf?src-supplier=Digi-Key, ComponentLink4Description=http://www.recom-international.com/pdf/Econoline/ROE.pdf?src-supplier=Future+Electronics, ComponentLink4URL=http://www.recom-international.com/pdf/Econoline/ROE.pdf?src-supplier=Future+Electronics, ComponentLink5Description=http://uk.rs-online.com/webdocs/1373/0900766b81373201.pdf?src-supplier=RSComponents, ComponentLink5URL=http://uk.rs-online.com/webdocs/1373/0900766b81373201.pdf?src-supplier=RSComponents, ComponentLink6Description=http://www.produktinfo.conrad.com/datenblaetter/675000-699999/676228-da-01-en-DC_DC_WANDLER_ROE_0505S.pdf?src-supplier=Conrad, ComponentLink6URL=http://www.produktinfo.conrad.com/datenblaetter/675000-699999/676228-da-01-en-DC_DC_WANDLER_ROE_0505S.pdf?src-supplier=Conrad, Depth=6mm, Efficiency=75%, Height=10mm, Isolation=Isolated, Lead Free="Lead Free", Length=11.5mm, Max Input Voltage (DC)=5.5V, Max Output Current=200mA, Max Power Dissipation=1W, Min Input Voltage (DC)=4.5V, Mount="Through Hole", Nominal Input Voltage=5V, Nominal Output Voltage=5V, Number of Outputs=1, Number of Pins=4, Output Current=200mA, Output Power=1W, Output Voltage=5V, Packaging=Rail/Tube, Power Rating=1W, Pricing 1="1=2.64, 5=2.604, 10=2.567, 25=2.4916, 50=2.416, 100=2.3405, 250=2.265, 500=2.114 (USD)", REACH SVHC="No SVHC", Stock 1=4706, Supplier 1=Digi-Key, Supplier Part Number 1=945-1655-5-ND, Voltage - Output 1=5V, Weight=1.4g, Width=6mm
U3: library part Invert-NC7SZ04M5X, "IC INVERTER 1CH 1-INP SOT23-5", Case/Package=SOT-23, High Level Output Current=-32mA, Low Level Output Current=32mA, Manufacturer="ON Semiconductor / Fairchild", Manufacturer Part Number=NC7SZ04M5X, Max Operating Temperature=85°C, Max Supply Voltage=5.5V, Min Operating Temperature=-40°C, Min Supply Voltage=1.65V, Package Quantity=1, Quiescent Current=2uA, Supplier Part Number 1=NC7SZ04M5XDKR-ND, ComponentLink1Description=http://www.jameco.com/Jameco/Products/ProdDS/1015511.pdf?src-supplier=Jameco, ComponentLink1URL=http://www.jameco.com/Jameco/Products/ProdDS/1015511.pdf?src-supplier=Jameco, ComponentLink2Description=https://www.fairchildsemi.com/datasheets/NC/NC7SZ04.pdf?src-supplier=Digi-Key, ComponentLink2URL=https://www.fairchildsemi.com/datasheets/NC/NC7SZ04.pdf?src-supplier=Digi-Key, ComponentLink3Description=http://www.farnell.com/datasheets/1639856.pdf?src-supplier=Element14, ComponentLink3URL=http://www.farnell.com/datasheets/1639856.pdf?src-supplier=Element14, ComponentLink4Description=http://www.fairchildsemi.com/ds/NC/NC7SZ04.pdf?src-supplier=Avnet+Europe, ComponentLink4URL=http://www.fairchildsemi.com/ds/NC/NC7SZ04.pdf?src-supplier=Avnet+Europe, ComponentLink5Description=https://www.verical.com/server-webapp/html/getDatasheet?partID=120911&src-supplier=Verical, ComponentLink5URL=https://www.verical.com/server-webapp/html/getDatasheet?partID=120911&src-supplier=Verical, ComponentLink6Description=https://www.fairchildsemi.com/datasheets/NC/NC7SZ04.pdf?src-supplier=Avnet, ComponentLink6URL=https://www.fairchildsemi.com/datasheets/NC/NC7SZ04.pdf?src-supplier=Avnet, ComponentLink7Description=http://www.fairchildsemi.com/ds/NC/NC7SZ04.pdf?src-supplier=Future+Electronics, ComponentLink7URL=http://www.fairchildsemi.com/ds/NC/NC7SZ04.pdf?src-supplier=Future+Electronics, Contact Plating=Tin,Matte, Lead Free="Lead Free", Logic Function=Buffer,Inverter, Mount="Surface Mount", Number of Circuits=1, Number of Elements=1, Number of Inputs=1, Number of Pins=5, Output Current=32mA, Packaging="Tape and Reel", Pricing 1="1=0.47, 10=0.348, 25=0.3044, 100=0.1971, 250=0.16312, 500=0.1305, 1000=0.10005 (USD)", Propagation Delay=12ns, Radiation Hardening=No, REACH SVHC="No SVHC", Stock 1=104504, Supplier 1=Digi-Key, Turn-On Delay Time=12ns, Weight=0.03g
U4: library part 4channel-ISO, "DGTL ISO 2500VRMS 4CH GP 16SSOP", Case/Package=SSOP, Isolated Power=No, Manufacturer="Texas Instruments", Manufacturer Part Number=ISO7742DBQR, Max Operating Temperature=125°C, Min Operating Temperature=-55°C, Supplier Part Number 1=296-49658-6-ND, Channel Type=Unidirectional, ComponentLink1Description=http://www.ti.com/lit/ds/symlink/iso7742.pdf?src-supplier=Digi-Key, ComponentLink1URL=http://www.ti.com/lit/ds/symlink/iso7742.pdf?src-supplier=Digi-Key, Data Rate=100Mbps, Mount="Surface Mount", Number of Channels=4, Number of Pins=16, Packaging="Tape and Reel", Pricing 1="1=2.99, 10=2.689, 25=2.5424, 100=2.0905, 250=1.8758, 500=1.808, 1000=1.5029 (USD)", Propagation Delay=16ns, Pulse Width Distortion (PWD)=4.9ns, Stock 1=0, Supplier 1=Digi-Key, Type="General Purpose"

## Free pads (board coordinates)
  round 4.5 hole 4: 0(4,4) 0(4,111) 0(59,4) 0(59,111)

## Via types
v1: diameter 0.7, hole 0.4, Top Layer to Bottom Layer, 89 vias
v2: diameter 1, hole 0.5, Top Layer to Bottom Layer, 14 vias
v3: diameter 1.2, hole 0.8, Top Layer to Bottom Layer, 12 vias

## Nets (pads, with @x,y where several pads share a name; then routed paths per layer and width w, separated by ;. In a path a pad name is that pad's centre, name@x,y a point inside that pad or via, vN(x,y) a via of type N, cw(c..) or ccw(c..) an arc to the next point about the centre after c; other vN are vias at no path point)
BLEED_1: D18_1.2 Q2_1.2 R37_1.1 | length 1.8
  Bottom Layer w0.65: v3(21.339,6.325) Q2_1.2@23.15,6.325
BLEED_2: D18_2.2 Q2_2.2 R37_2.1 | length 1.8
  Bottom Layer w0.65: v3(21.339,12.031) Q2_2.2@23.15,12.031
BLEED_3: D18_3.2 Q2_3.2 R37_3.1 | length 1.8
  Bottom Layer w0.65: v3(21.339,17.737) Q2_3.2@23.15,17.737
BLEED_4: D18_4.2 Q2_4.2 R37_4.1 | length 1.8
  Bottom Layer w0.65: v3(21.339,23.444) Q2_4.2@23.15,23.444
BLEED_5: D18_5.2 Q2_5.2 R37_5.1 | length 1.8
  Bottom Layer w0.65: v3(21.339,29.15) Q2_5.2@23.15,29.15
BLEED_6: D18_6.2 Q2_6.2 R37_6.1 | length 1.8
  Bottom Layer w0.65: v3(21.339,34.856) Q2_6.2@23.15,34.856
BLEED_7: D18_7.2 Q2_7.2 R37_7.1 | length 1.8
  Bottom Layer w0.65: v3(21.339,40.562) Q2_7.2@23.15,40.562
BLEED_8: D18_8.2 Q2_8.2 R37_8.1 | length 1.8
  Bottom Layer w0.65: v3(21.339,46.268) Q2_8.2@23.15,46.268
BLEED_9: D18_9.2 Q2_9.2 R37_9.1 | length 1.8
  Bottom Layer w0.65: v3(21.339,51.974) Q2_9.2@23.15,51.974
BLEED_10: D18_10.2 Q2_10.2 R37_10.1 | length 1.8
  Bottom Layer w0.65: v3@21.379,57.68 Q2_10.2@23.15,57.68
  other v3: 21.339,57.68
BLEED_11: D18_11.2 Q2_11.2 R37_11.1 | length 1.8
  Bottom Layer w0.5: Q2_11.2@23.17,63.38 Q2_11.2@23.189,63.361
  Bottom Layer w0.65: v3(21.339,63.386) Q2_11.2@23.11,63.386
BLEED_12: D18_12.2 Q2_12.2 R37_12.1 | length 1.8
  Bottom Layer w0.65: v3(21.339,69.092) Q2_12.2@23.111,69.092
BLN-LED_1: D18_1.1 R36_1.1 | length 1.5
  Top Layer w0.254: D18_1.1@24.75,6.325 R36_1.1@24.75,7.795
BLN-LED_2: D18_2.1 R36_2.1 | length 1.5
  Top Layer w0.254: D18_2.1@24.75,12.031 R36_2.1@24.75,13.501